# Allegro board LAY-95869_A.brd (continued)
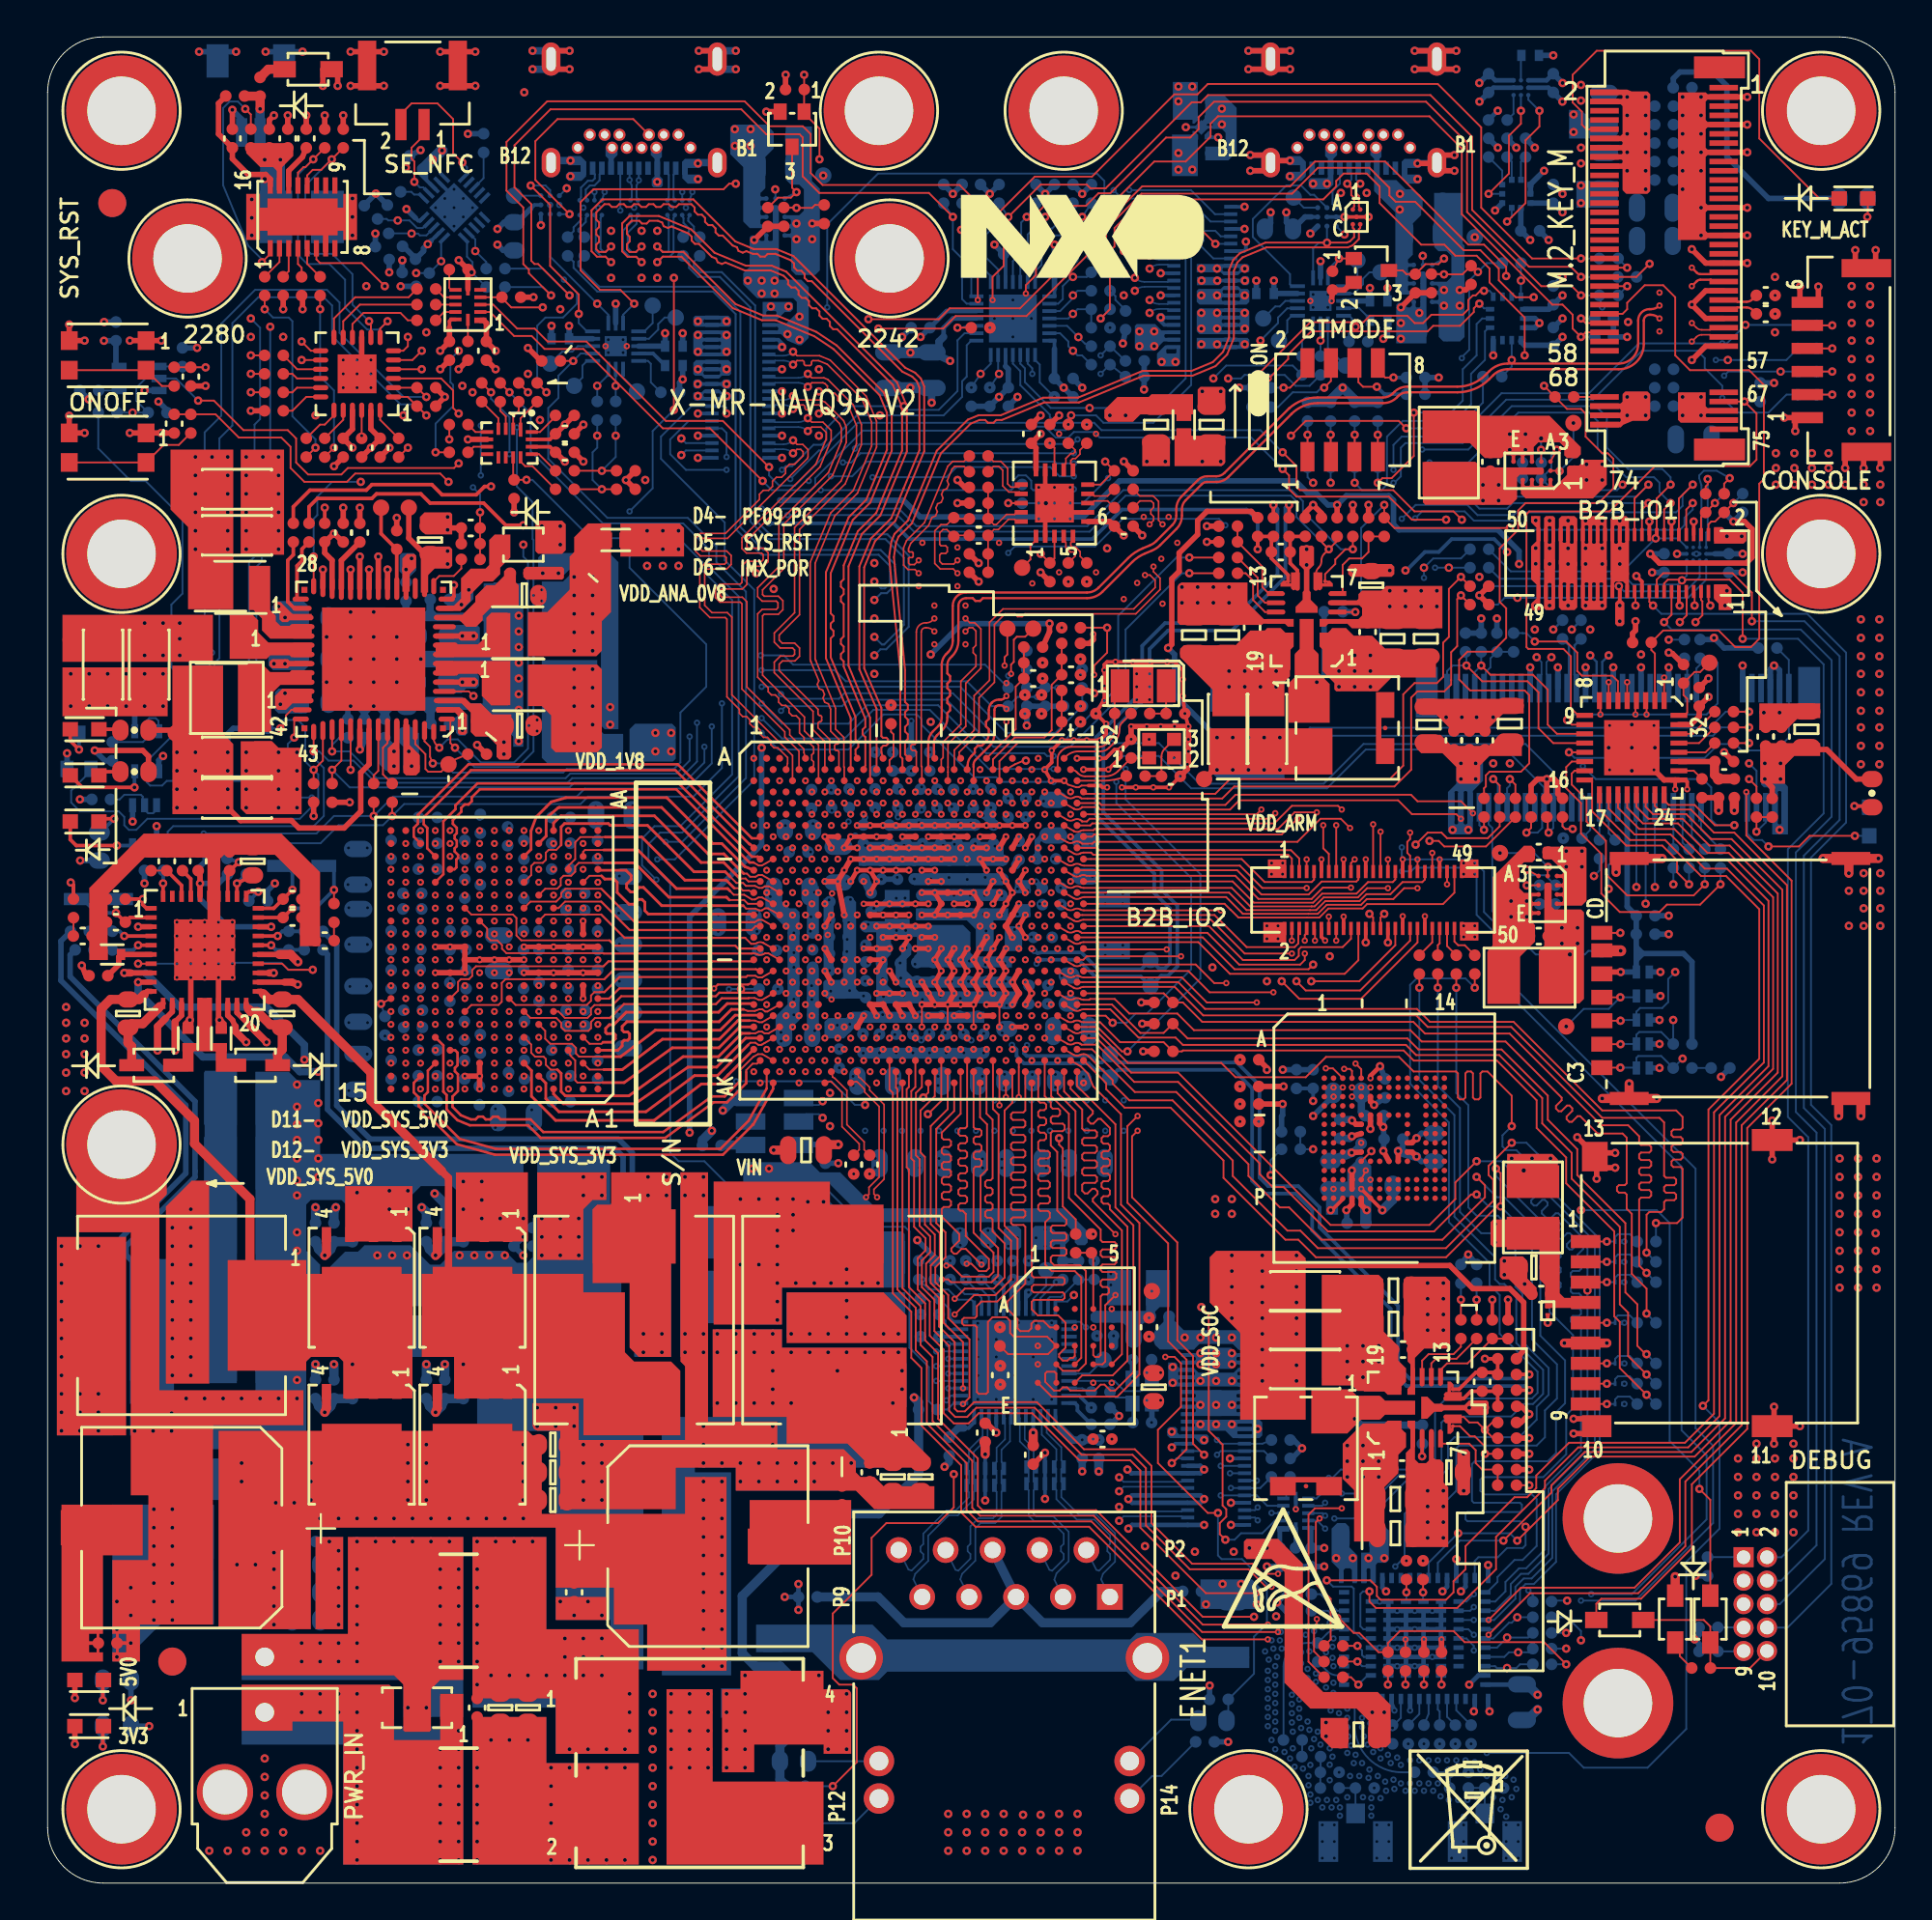
[diagram p0: board, top side]
## Routing (per net, layer and track width the routed paths; a pad name or vN(x,y) marks a point on that pad's centre or on a via; arc(x,y) is an arc through that point) (continued)
N20212533: length 2
  TOP w0.102: J5.CD v1(85.13,51.47)
  BOTTOM w0.102: v1(85.13,51.47) 85.12,51.46 R282.1
N20212535: length 2.6
  BOTTOM w0.102: J16.22 89,56.71 R271.1
N20212563: length 2.4
  BOTTOM w0.102: J16.24 88.5,56.36 R272.1
N20212605: length 8.6
  TOP w0.102: v1(97.83,56.73) 95.38,56.73 94.8,56.15 v1(93.15,56.15)
  BOTTOM w0.102: J16.10 92,56.85 92.35,56.5 92.8,56.5 v1(93.15,56.15) ; D15.C v1(97.83,56.73)
N20212618: length 2.3
  BOTTOM w0.102: J16.26 R273.1
N20218476: length 1.9
  BOTTOM w0.102: U32.9 29.2,82.45 28.95,82.2 28.95,81.55 TP37.1
N20218653: length 2
  BOTTOM w0.102: R228.1 v2(29.75,81.1) 30.35,81.7 U32.8
N20218681: length 1.7
  BOTTOM w0.102: R227.1 v2(30.75,81.1) U32.7
N20219761: length 3.3
  TOP w0.102: J6.3 v1(84.4,32.55)
  BOTTOM w0.102: v1(84.4,32.55) D25.1 84.85,32.8 85,32.95 85.64,32.95 R311.2
N20219774: length 3.3
  TOP w0.102: J6.5 v1(84.4,30.35)
  BOTTOM w0.102: v1(84.4,30.35) D26.1 84.85,30.6 85,30.75 85.64,30.75 R321.2
N20219785: length 3.3
  TOP w0.102: J6.7 v1(84.4,28.15)
  BOTTOM w0.102: R326.2 85.64,28.55 85,28.55 84.85,28.4 D27.1 v1(84.4,28.15)
N20219794: length 3.3
  TOP w0.102: J6.8 v1(84.4,27.05)
  BOTTOM w0.102: R327.2 85.64,27.45 85,27.45 84.85,27.3 D28.1 v1(84.4,27.05)
N20219805: length 3.3
  TOP w0.102: J6.1 v1(84.4,34.75)
  BOTTOM w0.102: R304.2 85.64,35.15 85,35.15 84.85,35 D23.1 v1(84.4,34.75)
N20219813: length 3.3
  TOP w0.102: J6.2 v1(84.4,33.65)
  BOTTOM w0.102: v1(84.4,33.65) D24.1 84.85,33.9 85,34.05 85.64,34.05 R310.2
N20220454: length 3.9
  TOP w0.102: R141.2 R140.2 56.6,34.04 U16.A4
N20227508: length 1.5
  BOTTOM w0.102: R171.1 79.35,95.84 U18.A1
N20227512: length 1.4
  BOTTOM w0.102: C117.1 79.75,98.97 U18.C2
N20228060: length 1.3
  BOTTOM w0.102: R174.2 79.25,93.24 U20.6
N20228087: length 1.8
  BOTTOM w0.102: U20.5 78.74,92.75 R175.1
N20228124: length 1.3
  BOTTOM w0.102: U20.7 79.75,93.24 R173.1
N20230991: length 3
  BOTTOM w0.2: 20.75,88.95 21.18,89.38 U25.12
  BOTTOM w0.3: L16.2 19.26,88.61 19.31,88.61 19.91,88.01 C149.1 20.35,88.4 20.35,88.55 v2(20.57,88.78) 20.75,88.95
N20231101: length 3.1
  BOTTOM w0.102: R186.2 18.35,90.14 18.43,90.06 v2(18.95,90.06) 19.59,90.06 20,89.65 20.3,89.65 20.6,89.95 U25.14
N20231103: length 2.7
  BOTTOM w0.102: R187.2 19.69,89.36 v2(19.7,89.35) 20.05,89.35 20.15,89.25 20.5,89.25 U25.13
N20554825: length 3.6
  TOP w0.2: U9.29 13.5,69.55 13.5,71.35 13.77,71.62 13.77,72.26 R70.2
N20554848: length 4.3
  TOP w0.2: U9.30 13.35,69.05 13,69.4 13,71.65 13.3,71.95 R69.2
N20554950:
  vias: v1(22.4,69.25) v1(22.8,70.05)
N20885506: length 1.7
  TOP w0.102: R129.1 74.95,50.96 J4.42
N20885512: length 1.5
  TOP w0.102: R130.1 75.25,50.8 75.35,50.9 J4.44
N20885518: length 1.7
  TOP w0.102: J4.46 75.75,50.76 R131.1
N20885524: length 2.1
  TOP w0.102: R132.1 76.71,50.8 76.35,50.8 76.15,51 J4.48
N20938524: length 4.7
  TOP w0.3: 10.89,47.34 10.75,47.47 U13.20
  TOP w0.5: 10.89,47.34 11.02,47.2 11.35,47.2 12.05,46.5 12.54,46.5 C76.1 12.7,45.16 12.45,44.91 D8.C
N20938526: length 4.6
  TOP w0.3: U13.11 6.08,47.48
  TOP w0.5: D7.C 4.55,45.32 4.35,45.52 C75.1 4.56,46.55 5.15,46.55 6.08,47.48
N20938536: length 4
  TOP w0.5: v1(21,25.5) 21.09,25.73 Q6.4
  BOTTOM w0.5: R330.1 R329.1 21.33,25.83 v1(21,25.5) 20.67,25.83 R328.1
N20938605: length 4
  TOP w0.5: Q5.4 15.1,25.73 v1(15,25.5)
  BOTTOM w0.5: R331.1 R332.2 15.33,25.83 v1(15,25.5) 14.67,25.83 R333.2
N20938615: length 1.5
  TOP w0.2: v1(11.4,53.7) 10.9,53.7 10.75,53.55 U13.31
  BOTTOM w0.2: R274.2 10.9,53.2 v1(11.4,53.7)
N20938617: length 1.4
  TOP w0.2: U13.40 v1(6.25,54.15)
  BOTTOM w0.2: v1(6.25,54.15) 6.26,54.16 R275.2
N20938619: length 26.4
  TOP w0.3: U13.21 11.55,48.3 11.68,48.17 ; Q4.5 23,32.5 21.75,32.5
  TOP w0.4: 21.32,38.58 21.7,38.2 21.7,32.47 Q4.5
  TOP w0.5: 11.68,48.17 11.99,47.86 C76.2 13.55,47.86 17.5,43.91 17.5,42.4 21.32,38.58
  BOTTOM w0.5: R330.2 v1(22.5,28.1)
N20938665: length 25.4
  TOP w0.3: 5.22,48.12 5.4,48.3 U13.10 ; 10.95,31.57 L10.1
  TOP w0.5: 5.22,48.12 4.96,47.86 C75.2 3.4,47.86 2.9,47.36 2.9,44.25 3.7,43.45 5.8,43.45 7.95,41.3 7.95,40.05 10.95,37.05 10.95,31.57
  BOTTOM w0.5: R331.2 v1(16.5,28.1)
N20938713: length 27.2
  TOP w0.3: 12.83,48.8 U13.22
  TOP w0.4: v1(13.54,48.67) 13.23,48.8 12.83,48.8
  L3_IN1 w0.4: v1(21.5,28.1) 21.15,28.95 17.3,32.8 17.3,41.65 17.8,42.15 17.8,44.41 v1(13.54,48.67)
  BOTTOM w0.5: R329.2 v1(21.5,28.1)
N20938715: length 30.2
  TOP w0.3: U13.9 v1(4.9,48.8)
  L3_IN1 w0.4: v1(14.65,43.95) 14.9,43.95 15.2,43.65 15.2,37.9 15.05,37.75 15.05,35.7 15.65,35.1 15.65,28.46 v1(15.5,28.1)
  BOTTOM w0.4: v1(4.9,48.8) 4.9,48.25 8.4,44.75 12.85,44.75 13.65,43.95 v1(14.65,43.95)
  BOTTOM w0.5: R332.1 v1(15.5,28.1)
N20938759: length 26.2
  TOP w0.3: 12,49.3 U13.23
  TOP w0.4: v1(12.24,49.3) 12,49.3
  L3_IN1 w0.4: v1(20.5,28.1) 16.5,32.1 16.5,35.5 16.2,35.8 16.2,44.9 12.55,48.55 v1(12.24,49.3)
  BOTTOM w0.5: R328.2 v1(20.5,28.1)
N20938761: length 31.4
  TOP w0.3: 4.5,49.3 U13.8
  TOP w0.4: v1(4.15,49.3) 4.5,49.3
  L3_IN1 w0.4: v1(14.5,28.1) 14.25,28.7 14.25,35.7 13.8,36.15 13.8,36.7 14.1,37 14.1,44.4 v1(13.9,44.6)
  BOTTOM w0.3: 4.5,49.3 5.3,49.3
  BOTTOM w0.4: 5.3,49.3 7.15,47.45 11.85,47.45 13.9,45.4 v1(13.9,44.6) ; v1(4.15,49.3) 4.5,49.3
  BOTTOM w0.5: R333.1 v1(14.5,28.1)
N20938813: length 33.6
  BOTTOM w0.3: R280.1 15.65,50.81 15.65,42.12 17.47,40.3 30.91,40.3 31.65,39.56 31.65,37.05 32.33,36.37 32.78,36.37 R308.2
  vias: v1(32.25,29.75) v1(32.25,28.75) v1(32.5,38.25) v1(32.5,37.25) v1(33.25,29.75) v1(33.25,28.75) v1(33.5,38.25) v1(33.5,37.25)
N20938851: length 26
  BOTTOM w0.3: R281.1 0.72,51.03 0.72,48.89 7.48,42.13 7.48,38.45 3.75,34.72 3.75,34.04 3.39,33.68 3.39,31.17 R320.1
  vias: v1(0.75,34.5) v1(0.75,33.5) v1(0.75,32.5) v1(0.75,31.5) v1(0.75,30.5) v1(0.75,29.5) v1(0.75,28.5) v1(0.75,27.5) v1(0.75,26.5) v1(0.75,25.5) v1(0.75,24.5) v1(1.75,34.5) v1(1.75,26.5) v1(1.75,25.5) v1(1.75,24.5) v1(2.75,34.5) v1(2.75,26.5) v1(2.75,25.5) v1(2.75,24.5)
N20939009: length 4
  TOP w0.5: v1(21,34) 21.09,34.09 Q4.4
  BOTTOM w0.5: R302.1 20.67,34.33 v1(21,34) 21.33,34.33 R303.1 R301.1
N20939031: length 17.7
  TOP w0.3: U13.18 9.75,47 10.01,46.74 10.15,46.4
  TOP w0.4: 10.15,46.4 10.15,46.15 v1(10.75,45.55)
  L5_POWER1 w0.4: v1(10.75,45.55) 12.8,43.5 12.8,43.05 13.2,42.65 13.85,42.65 14.1,42.4 14.1,41.95 14.35,41.7 16.2,41.7 19.97,37.93 20.25,37.26 v1(20.25,36.6)
  BOTTOM w0.5: v1(20.25,36.6) 20.5,36.35 R302.2
N20939033: length 16.4
  TOP w0.3: U13.13 7.25,47 6.9,46.65
  TOP w0.4: v1(6.9,45.1) 6.9,46.65
  L6_POWER2 w0.4: v1(15.6,36.6) 15.26,36.74 14.05,37.95 14.05,38.3 13.7,38.65 12.55,38.65 6.9,44.3 v1(6.9,45.1)
  BOTTOM w0.5: R306.1 15.5,36.36 v1(15.6,36.6)
N20939045: length 4
  TOP w0.5: v1(15,34) 15.1,34.09 Q3.4
  BOTTOM w0.5: R305.1 R306.2 15.33,34.33 v1(15,34) 14.67,34.33 R307.2
N20939085: length 17.3
  TOP w0.3: U13.19 10.25,47.15 10.9,46.5
  TOP w0.4: v1(11.85,45.55) 10.9,46.5
  L5_POWER1 w0.4: v1(11.85,45.55) 12.15,45.55 15.1,42.6 16.25,42.6 20.56,38.29 v1(20.95,37.35)
  BOTTOM w0.5: v1(20.95,37.35) 21.5,36.8 R303.2
N20939087: length 16.6
  TOP w0.3: 6.38,46.83 6.75,47.2 U13.12
  TOP w0.4: 6.38,46.83 5.95,46.4 v1(5.95,45.1)
  L6_POWER2 w0.4: v1(14.5,36.6) 13.05,36.6 12.7,36.95 12.7,37.55 5.95,44.3 v1(5.95,45.1)
  BOTTOM w0.5: R307.1 v1(14.5,36.6)
N20939149: length 2.6
  TOP w0.2: U13.26 v1(12.1,50.8)
  BOTTOM w0.2: v1(12.1,50.8) 12.36,50.54 C279.1 13.06,50.55 R283.2
N20939151: length 2.6
  TOP w0.2: U13.27 v1(12.45,51.3)
  BOTTOM w0.2: R280.2 13.06,51.55 C279.2 12.71,51.56 v1(12.45,51.3)
N20939169: length 3.5
  TOP w0.2: U13.4 v1(4.15,51.3)
  BOTTOM w0.2: v1(4.15,51.3) 3.89,51.56 C280.1 2.27,51.56 R281.2
N20939171: length 3.2
  TOP w0.2: U13.5 v1(4.9,50.8)
  BOTTOM w0.2: R284.2 2.52,50.54 C280.2 4.64,50.54 v1(4.9,50.8)
N20939231: length 1.6
  TOP w0.2: R125.1 7.75,54.39 U13.37
N20939402: length 3.1
  TOP w0.3: U13.6 3.98,50.3 3.85,50.17 3.85,49.74 R134.1
N20939416: length 7.3
  TOP w0.102: R128.1 v1(15.5,53.8)
  TOP w0.2: v1(13.25,52.8) 12.75,52.3 C69.1 U13.29
  BOTTOM w0.2: v1(13.25,52.8) 14.5,52.8 v1(15.5,53.8) 15.5,55.1 D16.A
N20939428: length 6.6
  TOP w0.2: R127.1 1.4,54.05 v1(1.25,54.2) ; U13.2 4.46,52.3 C68.1 4.2,52.05 v1(3.7,52.55)
  BOTTOM w0.2: v1(3.7,52.55) 2.65,52.55 1.9,53.3 D17.A 1.4,53.45 1.4,54.05 v1(1.25,54.2)
N20939532: length 1
  TOP w0.102: R128.2 15.5,51.06 C72.1
N20939534: length 4.1
  TOP w0.2: U13.30 12.24,52.8 C67.1 12.75,53.3 v1(13.25,53.8)
  BOTTOM w0.2: v1(13.25,53.8) 13.25,54.75 12.9,55.1 D16.C
N20939536: length 3
  TOP w0.2: C66.1 v1(5.15,53.3) 5.15,53 5.35,52.8 U13.1
  BOTTOM w0.2: D17.C v1(5.15,53.3)
N21337714: length 1.3
  TOP w0.102: U14.H15 v1(18.05,47.63)
  BOTTOM w0.102: R287.1 v1(18.05,47.63)
N21594290: length 3.3
  TOP w0.102: J6.9 v1(84.4,25.95)
  BOTTOM w0.102: R334.2 85.64,26.35 85,26.35 84.85,26.2 D29.1 v1(84.4,25.95)
N21614268: length 3.5
  L4_GND2 w0.3: v8(46.27,57.89) v6(46.54,58.2)
  L7_GND3 w0.3: v7(46.71,58.58) v6(46.54,58.2)
  L8_IN2 w0.3: v9(46.75,60.24) v7(46.71,58.58)
  BOTTOM w0.3: R255.1 v9(46.75,60.24)
N21614296: length 1.4
  L4_GND2 w0.15: v8(47.67,57.89) v6(48.38,58.56)
  L7_GND3 w0.3: v9(48.14,58.23) v6(48.38,58.56)
  BOTTOM w0.102: R252.1 v9(48.14,58.23)
N21614343: length 2.6
  TOP w0.102: U12.B22 45.57,60.82 45.79,61.04 45.79,62.23 45.65,62.36 R97.1
N21614367: length 2.3
  L4_GND2 w0.3: v8(47.32,58.5) v6(47.73,58.54)
  L7_GND3 w0.3: v6(47.73,58.54) v7(47.46,58.85)
  L8_IN2 w0.3: v7(47.46,58.85) 47.75,59.25 v9(47.75,60.24)
N21617103: length 2.2
  BOTTOM w0.102: R211.2 79.25,82.14 v2(79.25,82.5) U30.9
N21636786: length 2.1
  BOTTOM w0.102: R172.2 23.6,92.35 U25.3
N21636793: length 1.4
  BOTTOM w0.102: U25.16 20.16,91.46 19.84,91.46 19.69,91.61 R185.2
N21637265: length 2.6
  L3_IN1 w0.102: v4(57.6,31.1) 58.81,31.1 v4(59.77,32.06)
N21660107: length 2.3
  TOP w0.102: R36.1 13.25,79.75 14,80.5 U4.18
N21704576: length 2.5
  TOP w0.102: R77.2 22.39,71.21 21.99,70.8 21.2,70.8 20.9,70.5 U9.15
N21816191: length 2.1
  TOP w0.2: D4.C 1.23,61.88 v1(1.7,61.4)
  BOTTOM w0.2: Q7.3 v1(1.7,61.4)
N21816541: length 2
  TOP w0.2: D6.A 2.92,57.65 v1(3.6,57.65)
  BOTTOM w0.2: R265.2 2.86,56.91 v1(3.6,57.65)
N21819484: length 1.2
  TOP w0.2: R260.2 2.98,60.2 D5.A
N21996577: length 1.2
  TOP w0.2: D4.A 3.89,62.5 R247.2
N22003054: length 3.7
  BOTTOM w0.102: R264.2 3.9,58.7 4.15,58.95 5.05,58.95 5.15,58.85 5.15,58.48 Q9.5 5.35,58.28 5.35,58.04 5.44,57.95 5.71,57.95 5.8,58.04 5.8,58.28 Q9.6
N22006776: length 4.2
  BOTTOM w0.102: Q8.6 6,62.41 6,62.95 5.85,63.1 5.5,63.1 5.37,62.97 Q8.5 5.37,62.02 5.16,61.81 R259.2
N22034663: length 4.5
  TOP w0.2: v1(3.75,56.2) 1.55,56.2 1.23,56.52 D6.C
  BOTTOM w0.2: 4.6,56.22 4.58,56.2 v1(3.75,56.2)
N22035914: length 4.6
  TOP w0.2: v1(4.7,59.35) 1.88,59.35 D5.C
  BOTTOM w0.2: v1(4.7,59.35) 4.7,60.2 Q8.3
N22037860: length 2.2
  TOP w0.102: 2.99,10.96 D11.A
  TOP w0.2: v1(2.99,9.9) 2.99,10.96
  BOTTOM w0.3: R347.2 v1(2.99,9.9)
N22037862: length 2.2
  TOP w0.102: 2.99,8.46 D12.A
  TOP w0.2: v1(2.99,7.4) 2.99,8.46
  BOTTOM w0.3: R350.2 v1(2.99,7.4)
N22066075: length 1
  TOP w0.102: R127.2 1.4,51.31 C70.1
N22140968: length 2.3
  BOTTOM w0.102: R190.2 23.74,87.81 v2(23.15,88.4) 23.15,89.03 U25.9
N22140981: length 3.2
  BOTTOM w0.102: R194.2 23.74,86.46 v2(22.95,87.25) 23,87.3 23,87.8 22.7,88.1 22.7,88.9 22.52,89.08 U25.10
N22187003: length 1.8
  TOP w0.2: R106.2 98.69,58.34 v1(97.8,58.34)
  BOTTOM w0.2: D15.A 98.54,58.34 v1(97.8,58.34)
N22188336: length 2.9
  TOP w0.102: U6.B3 v1(80.84,77.64)
  BOTTOM w0.102: R236.2 80.85,77.62 v1(80.84,77.64) v2(80.84,78.25) 81,78.41 R231.1
N22191878: length 25
  TOP w0.102: D2.C 95.9,91.25 92.65,94.5 92.65,98.8 92.2,99.25 83.85,99.25 82.55,97.95 82.55,96.45 83.05,95.95 83.05,95.25 83.3,95 J1.10
N22194881: length 1.9
  TOP w0.102: J1.44 v1(85.5,86.5)
  BOTTOM w0.102: R196.1 85.01,86.01 v1(85.5,86.5)
N22194901: length 3.7
  TOP w0.102: J1.42 86,87 v1(86.71,87.71)
  BOTTOM w0.102: v1(86.71,87.71) 86.01,87.01 R192.1
N22194921: length 1.9
  TOP w0.102: J1.40 v1(85.5,87.5)
  BOTTOM w0.102: v1(85.5,87.5) 85.01,87.99 R188.1
N22195496: length 2.8
  TOP w0.5: v1(11.5,96.1) R1.2 10.67,96.79 R3.1
  BOTTOM w0.5: J11.2 v1(11.5,96.1)
N22196044: length 2.4
  TOP w0.3: C3.1 13.79,93.49 13.05,92.75 U1.14
N22196174: length 1.6
  TOP w0.102: U1.4 13.55,87.7 13.75,87.5 R18.1
N22196181: length 1.7
  TOP w0.102: R17.1 13.05,87.31 U1.3
N22196802:
  vias: v1(11.75,93.35) v1(12.6,93.35) v2(11.75,92.3)
N22196850: length 6.7
  TOP w0.3: R3.2 9.64,96.79 9.25,96.4 9.25,94.74 C1.1 10,93.4 10.85,92.55 11.8,92.55 12.05,92.3 U1.16
N22197655: length 1.8
  TOP w0.102: R19.2 14.05,87.71 U1.5
N22197658: length 1.9
  TOP w0.102: U1.2 12.55,87.81 R16.2
N22209029: length 1.5
  TOP w0.5: R1.1 11.94,98.25 D1.C
N22234874: length 1.8
  BOTTOM w0.2: R337.1 55.74,25.6 55.74,25.86 55.6,26 U35.48
N22245092: length 2.4
  BOTTOM w0.102: U35.33 53.35,31.65 54.05,32.35 TP43.1
N22260988: length 10.7
  TOP w0.102: TP8.1 51.95,66.55 51.8,66.4 v4(51.8,65.95)
  L3_IN1 w0.102: v4(51.8,65.95) 51.72,65.87 51.72,65.86 50.47,64.61 v4(50.47,57.89)
N22260989: length 10.4
  TOP w0.102: v4(52.15,65.5) 52.15,66 52.3,66.15 52.3,67.35 52.46,67.51 52.91,67.51 TP9.1
  L3_IN1 w0.102: v4(52.15,65.5) 51.8,65.5 50.9,64.6 50.9,62.8 51.17,62.53 v4(51.17,59.11)
N22267384: length 2
  BOTTOM w0.102: R157.2 91.79,17.66 J7.1
N22267422: length 9.5
  TOP w0.102: J7.10 92.15,11.65 R170.2 90,11.66 D14.C 90,13.9 89.65,14.25 D10.C
N22268137: length 1.4
  BOTTOM w0.102: J7.7 91.79,13.85 R160.2
N22268139: length 1.4
  BOTTOM w0.102: R161.2 91.78,12.55 J7.9
N22269123: length 1.7
  TOP w0.102: R170.1 88.35,12.29 88.35,12.78 D13.C
N22270569: length 27.6
  TOP w0.102: v1(31.75,85.55) 31,86.3 29.9,86.3 28.85,87.35 28.85,91.05 29.55,91.75 36.59,91.75 36.89,92.05 v1(37.25,92.05) ; v1(40.95,97.95) 40.95,97.16 R2.1 40.95,97.14 Q1.1 40.95,95.86 41.78,95.03 v1(41.78,93.37)
  L8_IN2 w0.102: v1(37.25,92.05) 38,92.05 39.5,93.55 41.6,93.55 v1(41.78,93.37)
  BOTTOM w0.102: U32.16 31.15,84.95 v1(31.75,85.55)
N22270887: length 5.2
  TOP w0.102: Q1.3 40.3,91.83 v1(40.54,91.59) 40.24,91.29 39.54,91.29 38.99,90.75 R10.2
  BOTTOM w0.102: U27.A3 v1(40.54,91.59)
N22338334: length 4.5
  TOP w0.3: v1(58.25,73) 57.75,73.5 C22.1 57.49,73.75 U7.6 ; v1(53.75,78.5) 53.25,78 C13.1 53.5,77.74 U7.15
  vias: v1(57.5,79.5) v1(58.35,79.5)
N22411418: length 6
  TOP w0.102: SW1.4 SW1.3 6.19,81.09 R28.1
N22411494: length 7.2
  TOP w0.102: R38.1 7.74,78.54 7.1,77.9 6.28,77.9 SW3.3 SW3.4
N22439034: length 2.1
  L4_GND2 w0.3: v8(45.92,58.5) v6(45.64,58.79)
  L7_GND3 w0.3: v7(45.38,59.1) v6(45.64,58.79)
  L8_IN2 w0.3: v7(45.38,59.1) v9(44.79,60.24)
N22445514: length 2.3
  L4_GND2 w0.3: v8(41.72,57.29) v6(41.95,57.62)
  L7_GND3 w0.2: v6(41.95,57.62) 41.75,57.83 41.75,58.8 41.35,59.2 v9(41.35,59.23)
N22447153: length 1.6
  BOTTOM w0.5: R300.2 36.49,39.98 Y3.1
N22447375: length 1
  L4_GND2 w0.3: v8(43.82,45.16) v6(43.41,45.16)
  L7_GND3 w0.3: v9(42.85,45.17) v6(43.41,45.16)
N22449761: length 1
  L4_GND2 w0.3: v8(49.42,58.5) v6(49.71,58.8)
  L7_GND3 w0.3: v6(49.71,58.8) v9(50,58.34)
N22490528: length 6.3
  L8_IN2 w0.102: v3(31,90.6) 30.6,90.6 30.05,91.15 28.75,91.15 v1(28.1,91.8)
  BOTTOM w0.102: U21.C3 v1(28.1,91.8) ; J13.A5 v3(31,90.6)
N22490544: length 12.3
  TOP w0.102: v1(28.25,90.4) 26.4,92.25 26.4,94.35 27.6,95.55 31.7,95.55 J13.B5
  BOTTOM w0.102: U21.A3 v1(28.25,90.4)
N22499200: length 1.5
  BOTTOM w0.102: TP38.1 31.15,81.55 U32.6
N22503479: length 2.7
  BOTTOM w0.102: U32.2 32.55,83.65 33.05,84.15 33.05,84.45 33.4,84.8 TP32.1
N22522931: length 2.9
  TOP w0.102: Q2.1 69.9,88 v1(69.9,88) R13.1
  BOTTOM w0.102: U29.16 69.3,87.4 v1(69.9,88)
N22537850: length 2.4
  BOTTOM w0.102: U26.C3 69.55,90.95 69.55,91.65 69.95,92.05 J12.A5
N22537852: length 10.1
  BOTTOM w0.102: U26.C2 68.55,91.45 68.35,91.45 67.85,91.95 67.05,91.95 65.24,90.14 65.24,89.16 67.25,87.15 67.25,86.6 67.35,86.5 U29.13
N22540110: length 11.8
  L8_IN2 w0.102: J12.B5 72,95.2 73.35,95.2 73.6,94.95 73.6,94.5 73.25,94.15 73.25,92.3 73.65,91.9 73.65,90.35 72.6,89.3 v1(70.2,89.3)
  BOTTOM w0.102: U26.A3 v1(70.2,89.3)
N22540682: length 2.7
  BOTTOM w0.102: TP30.1 71.55,87.25 71.2,86.9 71.2,86.6 70.7,86.1 U29.2
N22541064: length 2.6
  BOTTOM w0.102: U29.6 69.3,83.15 TP35.1
N22541069: length 1.9
  BOTTOM w0.102: TP34.1 67.1,84 67.1,84.65 67.35,84.9 U29.9
N22541602: length 2
  BOTTOM w0.102: R208.1 67.9,83.55 68.5,84.15 U29.8
N22541605: length 1.7
  BOTTOM w0.102: U29.7 v2(68.9,83.55) R207.1
N22543644: length 3.4
  BOTTOM w0.102: U29.14 68.5,88.55 68.8,88.85 v2(69.25,88.85) U26.A2
N22546464: length 3
  TOP w0.102: R14.2 75.57,87.16 v1(75.59,87.14) 76.58,87.14 R12.1
  BOTTOM w0.102: U28.B3 v1(75.59,87.14)
N22549024: length 4.1
  TOP w0.102: Q2.3 73.35,87.35 73.55,87.15 R15.2 74.04,87.15 74.59,87.69 75.29,87.69 v1(75.59,87.99)
  BOTTOM w0.102: U28.A3 v1(75.59,87.99)
N22551776: length 2.9
  TOP w0.102: R9.2 40.52,90.76 v1(40.54,90.74) 41.38,90.74 41.54,90.9 R8.1
  BOTTOM w0.102: U27.B3 v1(40.54,90.74)
N22560560: length 1.5
  BOTTOM w0.102: U26.C1 68,90.75 TP27.1
N22561438: length 1.4
  BOTTOM w0.102: U21.C1 TP26.1
N22564673: length 3.7
  L8_IN2 w0.102: v1(74.44,88.14) 74.84,88.14 75.85,89.15 v1(77.25,89.15)
  BOTTOM w0.102: v1(74.44,88.14) 74.45,88.13 U28.A2
N22566941: length 2.7
  BOTTOM w0.102: TP36.1 27.85,82.95 28.4,82.95 28.7,83.25 U32.11
N22566978: length 1.9
  BOTTOM w0.102: U32.1 32.3,84.05 32.75,84.5 TP31.1
N22570709: length 1.9
  BOTTOM w0.102: U29.1 70.45,86.5 70.9,86.95 TP29.1
N22570712: length 2.2
  BOTTOM w0.102: U29.11 67,85.7 66.7,85.4 66.45,85.4 TP33.1
N22571099: length 2
  BOTTOM w0.102: U29.5 70.45,84.9 70.6,84.75 70.6,84.5 v2(70.8,84.3) 70.44,83.94 R206.2
N22571117: length 2.5
  BOTTOM w0.102: R216.1 32.65,81.29 32.65,82.3 32.5,82.45 U32.5
N22573332: length 3.4
  L8_IN2 w0.102: v1(41.99,92.49) 40.14,92.49 v1(39.39,91.74)
  BOTTOM w0.102: v1(39.39,91.74) 39.4,91.73 U27.A2
N22575746: length 10.9
  TOP w0.102: v1(26.15,91.95) 27.2,90.9 27.2,87.6 28.75,86.05 v1(28.75,85)
  BOTTOM w0.102: v1(28.75,85) 28.75,84.5 29.2,84.05 U32.13 ; v1(26.15,91.95) 26.95,91.95 27.2,91.7 U21.C2
N22575749: length 7.2
  BOTTOM w0.102: U21.A2 27.2,88.1 v1(29.75,85.55) 30.35,84.95 U32.14
N22579246: length 12.6
  TOP w0.102: v1(10.7,96.1) 11,95.8 R4.2 ; v1(11.6,87.8) 12.05,88.25 U1.1
  BOTTOM w0.102: v1(11.6,87.8) 11.6,87.95 10.86,88.69 9.5,91.97 9.5,96.15 9.85,96.5 10.3,96.5 v1(10.7,96.1)
N22580951: length 2
  TOP w0.102: U7.1 53.5,72.75 53.2,72.45 53.2,71.7 TP5.1
N22584656: length 2
  TOP w0.102: R113.1 v1(77.75,57.05)
  BOTTOM w0.102: v1(77.75,57.05) 77.5,57.3 J16.68
N22585268: length 1.7
  TOP w0.102: R212.1 J1.68
N22592200: length 1.8
  BOTTOM w0.102: R189.2 79.76,87.5 79.75,87.49 v2(79.75,86.8) U30.4
N22593278: length 1.3
  TOP w0.102: R165.2 v1(72.55,10.75)
  BOTTOM w0.102: v1(72.55,10.75) 72.55,11.22 U36.58
N22597597: length 1.2
  TOP w0.102: R158.2 v1(73.55,15.75)
  BOTTOM w0.102: U36.69 73.55,15.28 v1(73.55,15.75)
N22597600: length 1.2
  TOP w0.102: R159.2 v1(74.45,15.75)
  BOTTOM w0.102: U36.70 74.45,15.28 v1(74.45,15.75)
N22618143: length 3.4
  TOP w0.102: v1(81.21,55.04) 81.2,55.03 U11.A2
  BOTTOM w0.102: v1(81.21,55.04) 80.46,55.79 v1(78.61,55.79)
N22618337: length 3.4
  TOP w0.102: v1(81.84,76.49) 81.83,76.5 U6.A2
  BOTTOM w0.102: v1(81.84,76.49) 82.59,77.24 v1(82.59,79.09)
N22625960: length 2.8
  TOP w0.102: R114.1 78.6,59.45 v1(78.25,59.8)
  BOTTOM w0.102: J16.64 78.5,59.55 v1(78.25,59.8)
N22625963: length 2.8
  TOP w0.102: v1(79.15,59.8) 79.45,59.5 R115.1
  BOTTOM w0.102: J16.62 79,59.3 79.15,59.45 v1(79.15,59.8)
N22654895: length 25.1
  BOTTOM w0.5: J8.P5 51.02,14.1 46.35,14.1 44.95,15.5 C424.1 ; J8.P5 J8.P6 ; J8.P5 52.45,15.5 53.85,14.1 58.6,14.1 60.3,15.8 C422.1
N22707350: length 1
  BOTTOM w0.102: C341.2 R294.1
N22716193: length 1.9
  BOTTOM w0.102: R267.1 84.5,56.86 J16.40
N22716195: length 1.8
  BOTTOM w0.102: J16.42 R268.1
N22716197: length 1.9
  BOTTOM w0.102: J16.44 83.5,57.04 R266.1
N22719691: length 1.7
  BOTTOM w0.102: J16.23 88.75,65.7 88.6,65.85 R245.1
N22721133: length 3.2
  BOTTOM w0.102: R240.2 R241.2 78.1,66.34 78.1,65.85 77.85,65.6 77.85,64.83 J16.67
N22721292: length 3.2
  TOP w0.102: v1(92.5,56.95) R119.2 R120.2
  BOTTOM w0.102: v1(92.5,56.95) 93,57.45 J16.6
N23135226: length 2.9
  BOTTOM w0.102: U36.50 78.45,12.75 v2(79,13.3) 80.14,13.3 R343.2
N23135255: length 2.7
  BOTTOM w0.102: U36.52 78.35,11.75 78.45,11.65 v2(79,11.65) 79.5,11.65 79.7,11.85 R346.2
N23135278: length 3
  BOTTOM w0.102: R341.2 79.56,14.4 v2(79.55,14.39) 79.55,14.39 79.25,14.1 79.1,14.1 78.25,13.25 U36.49
N23135301: length 2.8
  BOTTOM w0.102: U36.51 78.85,12.25 79.1,12.5 v2(79.6,12.5) 80.19,12.5 R345.2
N23138128: length 1.4
  BOTTOM w0.102: R369.2 67.26,21.61 67.05,21.4 67.05,20.84 U37.5
N23138864: length 1.1
  BOTTOM w0.25: U37.12 67.56,18.17 R368.1
N23143024: length 1.5
  BOTTOM w0.102: U36.6 75.25,9.4 75.35,9.3 R354.2
N23143027: length 1.7
  BOTTOM w0.102: U36.4 76.25,9.36 R352.2
N23143030: length 1.5
  BOTTOM w0.102: R355.2 74.75,9.16 U36.7
N23143033: length 1.7
  BOTTOM w0.102: U36.8 74.25,9.16 R356.2
N23154785: length 1.6
  BOTTOM w0.102: R353.2 75.75,9.01 U36.5
N23154814: length 4.7
  L8_IN2 w0.102: v3(80.15,15.85) 77.4,15.85 v3(77.2,15.65)
  BOTTOM w0.102: U36.72 76.8,15.25 v3(77.2,15.65) ; v3(80.15,15.85) 80.39,15.61 R339.2
N23159318: length 2.3
  TOP w0.102: R43.2 14.74,79 15,79 15.5,79.5 U4.19
N23159321: length 1.9
  TOP w0.102: U4.20 16,79.26 R44.2
N23161766: length 1.2
  TOP w0.102: R25.1 U3.12
N23161945: length 1.3
  TOP w0.102: R23.1 21.46,85.1 U3.10
N23161959: length 1.1
  TOP w0.102: U3.9 R22.1
N23161973: length 1.3
  TOP w0.102: R20.1 21.46,85.9 U3.8
N23164149: length 3.8
  TOP w0.3: U10.27 C59.1
  TOP w0.5: C59.1 90.23,60.74 90.23,60.02 90.44,59.81 R103.2 R104.2
N23164319: length 1.4
  TOP w0.102: U10.26 89.11,60.25 R102.2
N23164717: length 2.3
  TOP w0.102: R98.2 89.39,61.75 U10.29
N23164745: length 2.4
  TOP w0.102: U10.30 89.04,62.25 R95.2
N23165400: length 1.6
  TOP w0.102: U5.3 24.8,79.45 24.5,79.75 R32.1
N23179666: length 1.9
  TOP w0.102: U4.24 18,79.26 R46.2
N23179952: length 2.1
  TOP w0.102: R99.2 89.74,61.25 U10.28
N23180030: length 4.1
  TOP w0.102: U10.32 88.6,63.25 88.75,63.4 88.75,64.15 88.55,64.35 R90.2 88.55,65 89.15,65.6 89.45,65.6 TP11.1
N23187439: length 3.4
  BOTTOM w0.102: U31.2 54.7,85.55 54.95,85.8 54.95,86.5 55.45,87 v2(55.5,87) 56.24,87 R191.2
N23187446: length 2.8
  BOTTOM w0.102: R195.2 55.75,86.25 v2(55.5,86) 55.5,85.85 54.8,85.15 U31.3
N23187497: length 2.7
  BOTTOM w0.102: U31.5 55.19,84.35 v2(55.79,83.74) 56.14,83.4 R202.2
N23187500: length 3.1
  BOTTOM w0.102: R205.2 55.99,82.75 55.75,82.75 v2(55.5,83) 55.25,83.25 55.25,83.5 54.8,83.95 U31.6
N23189944: length 1.4
  TOP w0.102: U3.7 21.85,86.3 21.74,86.41 R11.1
N23190304: length 1.8
  TOP w0.102: R24.2 v1(49.25,84.25)
  BOTTOM w0.102: v1(49.25,84.25) 49.5,84.25 49.74,84.35 U31.17
N23191252: length 1.9
  TOP w0.102: U5.1 25.6,79.34 R34.2
N23191309: length 2.7
  TOP w0.102: R54.2 26.24,76.75 25.85,76.75 25.6,77 U5.12
N23191328: length 1.7
  TOP w0.102: U5.13 26.59,77.4 R49.2
N23218044: length 3.5
  BOTTOM w0.102: U31.4 55.25,84.75 v2(55.5,85) 55.75,85.25 R197.2 R200.1
N23221125: length 1.7
  TOP w0.102: R37.2 27.49,79.44 26.65,78.6 U5.16
N23221706: length 1.2
  TOP w0.102: U5.5 23.16,78.6 R39.1
N24715398: length 2.2
  TOP w0.102: J2.2 v1(96.6,80.62)
  BOTTOM w0.102: R218.2 v1(96.6,80.62)
N24715401: length 2.2
  TOP w0.102: J2.3 v1(96.6,81.88)
  BOTTOM w0.102: v1(96.6,81.88) R209.2
N24715404: length 2.2
  TOP w0.102: v1(96.6,83.12) J2.4
  BOTTOM w0.102: R203.2 v1(96.6,83.12)
N24715407: length 2.2
  TOP w0.102: J2.5 v1(96.6,84.38)
  BOTTOM w0.102: v1(96.6,84.38) R199.2
N24925114: length 13.4
  BOTTOM w0.102: R375.1 78.5,69.25 78.87,69.62 v2(79.56,69.62) 88.8,69.62 89.78,70.59 U34.A1
N24925117: length 12.8
  BOTTOM w0.102: U34.B1 89.42,70.74 88.66,69.97 85.33,69.97 v2(85.05,70.25) R376.1
N24925120: length 12.1
  BOTTOM w0.102: U34.D1 88.72,70.83 v2(88.47,70.57) 88.24,70.34 85.8,70.34 85.49,70.65 78.61,70.65 R377.1
N24925332: length 12.2
  BOTTOM w0.102: U34.D3 88.23,72.84 v2(87.04,72.84) 85.25,71.05 79.2,71.05 78.01,72.24 R374.2
N24925335: length 6.8
  TOP w0.102: v1(91.05,76.1) 90.75,75.8 R373.2
  BOTTOM w0.102: v1(91.05,76.1) 90.35,76.5 89.65,76.5 89.4,76.25 89.4,76.09 89.52,75.72 89.52,73.43 89.42,73.33 U34.B3
N24925338: length 4.6
  TOP w0.102: R372.2 89.75,75.65 89.86,75.76 v1(89.86,76.05)
  BOTTOM w0.102: U34.A3 89.78,73.16 89.86,73.24 v1(89.86,76.05)

## Copper pours and planes (outline as drawn; the poured copper is in the pictures)
AVDD10_RTL on L8_IN2: 51.05,24.7 51.05,24.25 51.2,24.1 53.5,24.1 54.45,25.05 57.1,25.05 57.1,28.05 58.05,29 58.05,29.75 57.9,29.9 57.5,29.9 56.35,28.75 56.35,27 55.25,25.9 52.25,25.9
AVDD33_RTL on L8_IN2: 48.55,24.25 48.55,23.1 49.05,22.6 54.5,22.6 55.55,23.65 56.9,23.65 57.1,23.85 57.1,24.8 54.5,24.8 53.6,23.9 51.1,23.9 50.55,24.45 48.75,24.45
DVDD33_RTL on BOTTOM (solid shape): 54.55,35.3 55.1,35.3 55.3,35.1 55.3,34.8 55.1,34.6 54.55,34.6 54.25,34.3 53.5,34.3 53.3,34.5 53.3,35.45 53.45,35.6 54.25,35.6
DVDD33_RTL on BOTTOM (solid shape): 53.3,32.55 53.15,32.4 52.65,32.4 52.65,31 52.45,31 52.45,31.95 52.4,32 52.3,32 52.25,31.95 52.25,31 52.05,31 52.05,32.9 53.3,32.9
DVDD33_RTL on L8_IN2: 46.8,35.05 46.8,33.05 47.4,32.45 54.25,32.45 54.25,35.5 54.05,35.7 52.3,35.7 51.65,35.05
GND on TOP (solid shape): 6.5,63.2 0.8,63.2 0.8,65.85 6.5,65.85
GND on TOP (solid shape): 12.8,71.95 10.45,71.95 10.45,77.65 12.8,77.65
GND on TOP (solid shape): 16,13.75 14.5,13.75 14.5,18.75 16,18.75
GND on TOP (solid shape): 19.75,34.75 16.1,34.75 16.1,37.75 19.75,37.75
GND on TOP (solid shape): 26,34.75 22.1,34.75 22.1,38.5 26,38.5
GND on TOP (solid shape): 30.25,14.25 27.5,14.25 27.5,15.5 30.25,15.5
GND on TOP (solid shape): 59.85,63.9 58.75,63.9 58.75,66.3 59.85,66.3
GND on TOP (solid shape): 60.75,76.75 59.25,76.75 59.25,78.25 60.75,78.25
GND on TOP (solid shape): 67.05,54.45 66.05,54.45 66.05,55.45 67.05,55.45
GND on TOP (solid shape): 67.05,50.95 65.8,50.95 65.8,52.05 67.05,52.05
GND on TOP (solid shape): 77.45,54.45 76.45,54.45 76.45,55.45 77.45,55.45
GND on TOP (solid shape): 77.45,51.05 76.45,51.05 76.45,52.05 77.45,52.05
GND on TOP (solid shape): 46.5,30.75 46.5,29.25 40,29.25 40,32 45.25,32
GND on TOP (solid shape): 70.4,7.3 69.5,7.3 68.9,7.9 68.9,8.95 70.4,8.95
GND on TOP (solid shape): 81.75,39.2 81.75,37.3 79,37.3 79,39.5 81.45,39.5
GND on TOP (solid shape): 7.9,46.05 7.3,46.05 7.3,46.6 7.6,46.9 7.6,49.15 7.9,49.15
GND on TOP (solid shape): 9.4,46.9 9.7,46.6 9.7,46.05 9.1,46.05 9.1,49.15 9.4,49.15
GND on TOP (solid shape): 63.75,80.9 63.75,79.75 62.25,79.75 62.25,80.9 62.4,81.05 63.6,81.05
GND on TOP (solid shape): 80.8,70.8 80.3,70.8 80.3,72.4 80.6,72.7 80.6,73.41 80.8,73.41
GND on TOP (solid shape): 95.95,63.1 94.75,63.1 94.1,62.45 92.65,62.45 92.65,63.9 95.95,63.9
GND on TOP (solid shape): 12.5,61.5 13.75,61.5 13.75,57.9 10.75,57.9 10.45,58.2 10.45,61.85 12.15,61.85
GND on TOP (solid shape): 21.9,74.15 21.9,73.05 20.45,73.05 20.15,73.35 20.15,74 20.4,74.25 21.8,74.25
GND on TOP (solid shape): 91.15,70.1 91.15,68.95 90.45,68.95 90.45,69.3 90.2,69.55 90.2,70.35 90.9,70.35
GND on TOP (solid shape): 72.9,71.3 72.9,70.9 72.75,70.75 70.55,70.75 70.4,70.9 70.4,71.3 70.55,71.45 72.75,71.45
GND on TOP (solid shape): 77,23.35 77,21.15 76.85,21 76.45,21 76.3,21.15 76.3,23.35 76.45,23.5 76.85,23.5
GND on TOP (solid shape): 79.9,63.35 78.8,63.35 77.75,62.3 76.15,62.3 75.1,63.35 74.1,63.35 74.1,64.15 79.9,64.15
GND on TOP (solid shape): 90.8,73.3 91.8,73.3 91.95,73.15 91.95,72.7 91.8,72.55 90.2,72.55 90.2,73.45 90.65,73.45
GND on TOP (solid shape): 28.75,24 34,24 34,20.25 27.75,20.25 27.75,24.5 26.5,24.5 26.25,24.75 26.25,26 28.75,26
GND on TOP (solid shape): 68.55,72.35 68.55,71.4 68.3,71.15 68.3,69.05 68,69.05 68,71.15 67.75,71.4 67.75,72.35 67.85,72.45 68.45,72.45
GND on TOP (solid shape): 78,26.05 78,25.45 77.9,25.35 76.95,25.35 76.7,25.6 74.6,25.6 74.6,25.9 76.7,25.9 76.95,26.15 77.9,26.15
GND on TOP (solid shape): 85.6,69.62 85.4,69.62 85.4,70.37 85.27,70.5 84.88,70.5 84.8,70.42 84.8,69.62 84.6,69.62 84.6,71 85.6,71
GND on TOP (solid shape): 80.1,33.7 80.1,32.75 80.6,32.25 80.6,31.8 80.4,31.6 80.2,31.6 79.1,32.7 78.75,32.7 78.6,32.85 78.6,33.8 78.75,33.95 79.85,33.95
GND on TOP (solid shape): 72.3,32.7 72.3,29.9 73.12,29.08 73.12,28.3 73.52,27.9 73.52,27.15 73.27,27.15 73.27,26.65 70.92,26.65 70.62,26.95 68.97,26.95 68.97,32.95 72.05,32.95
